# Allegro board LAY-29615_B4.brd (continued)
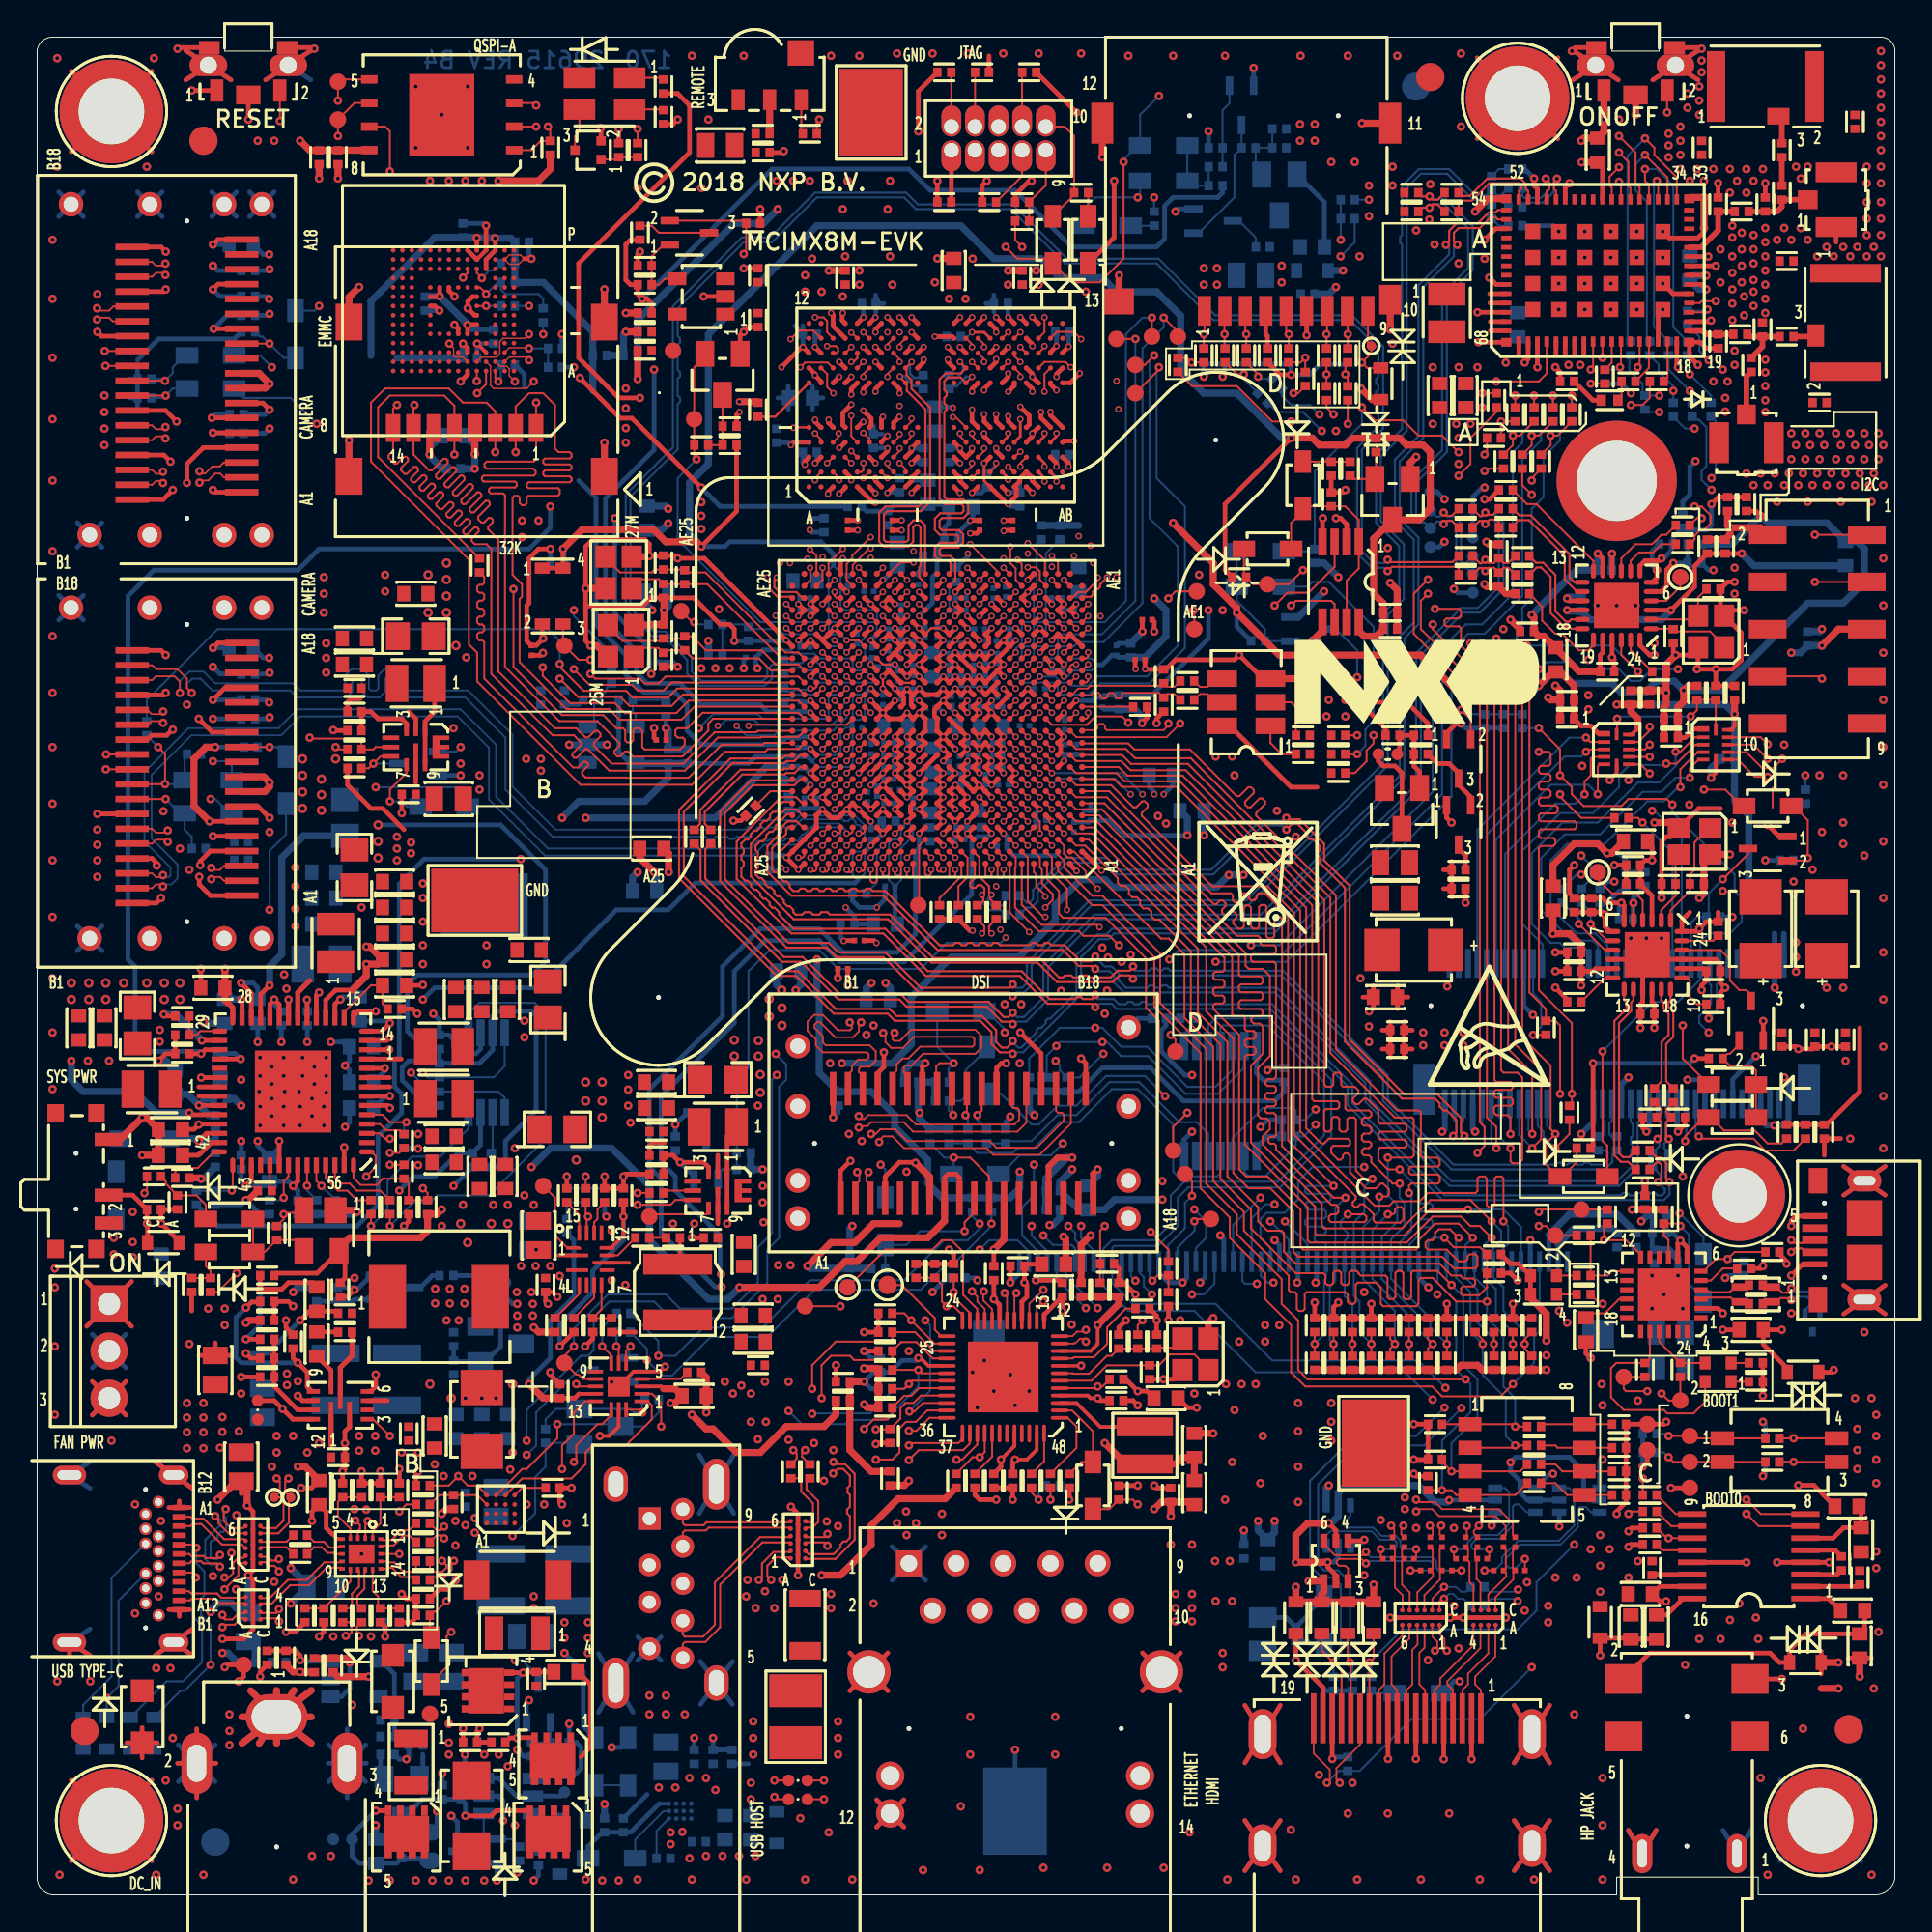
[diagram p0: board, top side]
## Routing (per net, layer and track width the routed paths; a pad name or vN(x,y) marks a point on that pad's centre or on a via; arc(x,y) is an arc through that point) (continued)
  L8_INT_3 w0.076: v2(53.32,63.63) 53.33,63.63 53.68,63.29 56,63.29 56.48,62.8 58.36,62.8 59.09,62.06 65.95,62.06 70.8,57.21 70.8,38.92 71.79,37.93 71.79,32.8 v1(71.44,32.45)
PMIC_ON: length 50
  TOP w0.107: R714.1 v1(32.32,37.78) ; v1(20.76,38.04) 21.02,37.78 R723.2 C777.1 20,38.3 R718.1 18.61,38.55 18.27,38.21 17.41,38.21 17.03,38.6 U702.56
  L6_INT_2 w0.076: v1(20.76,38.04) 20,38.8 18.73,38.8 17.72,39.81 17.72,48.32 18.99,49.59 18.99,54.42 17.84,55.56 17.84,59.24 v1(18.22,59.63)
  L8_INT_3 w0.076: v1(32.32,37.78) 31.94,38.16 23.3,38.16 22.8,37.65 21.14,37.65 v1(20.76,38.04)
  BOTTOM w0.107: D703.A 23.18,59.37 22.92,59.63 v1(18.22,59.63)
PMIC_ON_REQ: length 62
  TOP w0.107: R718.2 v1(18.99,39.3) ; R754.1 16.19,61.66 v1(16.06,61.78) ; U101.V20 v2(44.22,66.88)
  L6_INT_2 w0.076: v1(36.7,69.21) 35.11,70.8 29.27,70.8 28.89,70.42 27.88,70.42 20.89,63.44 17.33,63.44 16.06,62.17 v1(16.06,61.78) 16.45,61.4 18.22,61.4 18.73,60.9 18.73,59.37 18.48,59.12 18.48,58.61 18.86,58.23 18.86,55.43 19.49,54.8 19.49,49.59 18.86,48.96 18.86,47.43 18.1,46.67 18.1,40.19 v1(18.99,39.3)
  L8_INT_3 w0.076: v1(36.7,69.21) 38.71,67.21 41.78,67.21 42.02,67.45 42.53,67.45 42.77,67.21 43.9,67.21 v2(44.22,66.88)
PMIC_STBY_REQ: length 53
  TOP w0.107: v1(18.99,39.94) 19.49,39.94 R724.2 ; U101.V21 v2(42.93,66.88)
  L6_INT_2 w0.076: v1(18.99,39.94) 18.48,40.45 18.48,43.24 19.39,44.16 19.39,48.86 19.87,49.34 19.87,55.18 20.64,55.94 20.64,59.63 v1(22.8,61.78) 23.05,62.04 23.05,64.83 28.23,70.01 29.17,70.01 29.4,69.79 34.99,69.79 36.26,68.52 37.91,68.52 39.22,67.21 42.42,67.21 42.74,66.88 v2(42.93,66.88)
  BOTTOM w0.107: v1(22.8,61.78) 22.56,61.55 Q703.2
PMIC_VCORE: length 2.7
  TOP w0.107: U702.49 13.53,38.68 13.27,38.42 v1(13.27,37.53)
  BOTTOM w0.107: v1(13.27,37.53) 13.14,37.39 C735.1
PMIC_VCOREDIG: length 2.1
  TOP w0.107: U702.51 v1(14.53,38.17)
  BOTTOM w0.107: v1(14.53,38.17) 14.53,37.91 C728.1
PMIC_VCOREREF: length 2.3
  TOP w0.107: U702.52 15.03,38.44 v1(15.3,38.16)
  BOTTOM w0.107: C730.1 16.06,37.4 v1(15.3,38.16)
PMIC_VDDOTP: length 1.4
  TOP w0.107: U702.47 12.53,38.01 R720.2
POR_B: length 172.1
  TOP w0.107: v1(58.48,93.28) 58.48,88.07 57.21,86.8 55.69,86.8 D401.A 54.42,88.07 52.77,88.07 v1(52.13,88.71) ; U702.3 18.44,40.99 18.73,40.7 v1(18.99,40.7) ; v1(35.37,68.52) 35.26,68.52 TP407.1
  L6_INT_2 w0.076: v1(35.37,68.52) 30.16,68.52 29.04,69.63 28.49,69.63 23.68,64.83 23.68,61.91 23.3,61.53 23.3,60.01 21.02,57.72 21.02,55.82 20.26,55.05 20.26,49.21 19.75,48.7 19.75,42.23 18.99,41.46 v1(18.99,40.7)
  L8_INT_3 w0.076: v1(52.13,88.71) 50.99,87.57 49.85,87.57 48.07,85.79 44.64,85.79 43.24,84.39 43.24,83.37 42.53,82.66 42.15,82.66 39.37,79.88 38.99,79.88 34.99,75.88 34.99,71.82 34.73,71.56 34.73,69.15 v1(35.37,68.52) ; v1(60.39,96.84) 62.8,96.84 63.82,95.82 63.82,93.79 68.64,88.96 68.64,86.55 74.28,80.91 74.28,77.99 74.74,77.53 74.74,76.26 74.99,76.01 74.99,71.82 75.63,71.18 75.63,70.04 76.39,69.28 79.31,69.28 80.71,67.88 80.71,66.61 80.33,66.23 80.33,63.94 81.85,62.42 81.85,60.9 81.47,60.51 81.47,59.12 84.01,56.58 84.01,55.43 84.47,54.98 85.36,54.98 86.42,53.91 86.42,52.77 85.28,51.62 85.28,46.8 86.8,45.27 86.8,43.12 86.12,42.43 86.12,38.21 87.65,36.68 v1(88.41,36.68)
  BOTTOM w0.107: v1(60.39,96.84) 59.37,95.82 D1609.C 59.24,94.17 58.48,93.41 v1(58.48,93.28) ; R401.1 35.5,68.39 v1(35.37,68.52) ; D1704.C 89.7,35.39 v1(88.41,36.68)
PPS/GPIO: length 11.5
  TOP w0.107: TP1201.1 45.66,34.73 48.2,34.73 48.7,35.24 49.21,35.24 49.85,34.61 49.85,32.3 50.61,31.54 U1201.22
PWM_LED: length 133.7
  TOP w0.107: U101.K6 v2(53.32,61.03) ; R1614.1 v1(32.32,95.06)
  L6_INT_2 w0.076: v1(71.69,90.36) 74.99,87.06 74.99,82.74 74.48,82.23 74.48,78.29 73.72,77.53 73.72,69.53 64.96,60.77 63.18,60.77 62.17,61.78 55.91,61.78 55.48,61.36 53.65,61.36 v2(53.32,61.03)
  L8_INT_3 w0.076: v1(32.32,95.06) 33.46,96.2 37.02,96.2 37.53,96.71 44.51,96.71 46.29,98.49 58.61,98.49 59.37,97.73 62.42,97.73 69.79,90.36 v1(71.69,90.36) ; v2(53.32,61.03) 53.66,60.7 53.66,60.26 53.44,60.04 53.2,60.04 53.02,59.86 53.02,59.62 52.81,59.41 52.51,59.41 52.35,59.24 52.35,58.27 52.18,58.1 51.19,58.1 51.06,57.97 51.06,56.27 50.51,55.71 50.51,53.25 50.99,52.77 51.75,52.77 52.26,52.26 52.26,51.65 v2(52.13,51.52)
  BOTTOM w0.107: v2(52.13,51.52) 51.85,51.24 48.96,51.24 47.56,49.85 43.12,49.85 42.1,50.86 39.43,50.86 38.29,49.72 38.29,44.51 37.66,43.88 C780.1 R763.1 36.89,39.05 36.65,38.81 Q704.2
PWR_MODE: length 46
  TOP w0.107: U707.6 34.36,37.41 34.1,37.15 v1(32.32,37.15) ; U705.6 18.49,61.28 v1(18.1,60.9) 17.84,60.64 R701.2
  L6_INT_2 w0.076: v1(21.78,36) 20.64,36 18.56,38.08 18.56,38.46 17.33,39.69 17.33,48.48 18.6,49.75 18.6,54.26 17.46,55.4 17.46,60.26 v1(18.1,60.9)
  L8_INT_3 w0.076: v1(32.32,37.15) 27.62,37.15 27.11,36.64 22.41,36.64 v1(21.78,36)
  BOTTOM w0.107: Q703.3 v1(18.1,60.9)
PWR_PATH_EN: length 6
  TOP w0.254: v1(22.93,8.95) R943.1
  L6_INT_2 w0.254: v1(19.87,7.3) 21.27,8.7 22.68,8.7 v1(22.93,8.95)
  BOTTOM w0.254: R913.2 20.01,7.44 v1(19.87,7.3) 19.49,7.3 R942.2
QSPIA_NSS0: length 66
  TOP w0.107: U101.H19 v2(44.23,59.73) ; U603.1 26.61,93.92 27.11,94.42 R620.2 27.62,95.06 v1(27.49,95.19)
  L8_INT_3 w0.076: v1(27.49,95.19) 25.46,93.15 22.41,93.15 21.65,92.39 21.65,91.5 18.35,88.2 18.35,82.23 17.72,81.6 17.72,79.95 18.67,78.99 18.67,77.19 19.86,76 19.86,72.31 20.21,71.97 20.21,67.68 25.84,62.04 27.37,62.04 28,61.4 31.25,61.4 31.89,60.77 39.43,60.77 39.81,61.15 41.92,61.15 42.13,61.36 43.09,61.36 43.25,61.19 43.25,60.89 43.43,60.71 43.7,60.71 43.9,60.52 43.9,60.06 v2(44.23,59.73)
QSPIA_SCLK: length 65.8
  TOP w0.107: U101.G19 v2(44.23,59.08) ; U603.6 17.08,96.46 TP603.1 v1(16.19,94.68)
  L8_INT_3 w0.076: v2(44.23,59.08) 43.9,59.41 40.23,59.41 40.09,59.27 26.58,59.27 18.54,67.31 18.54,69.34 18.22,69.66 18.22,75.5 16.06,77.66 16.06,88.21 16.19,88.34 16.45,88.34 16.57,88.47 16.57,88.72 16.45,88.85 16.19,88.85 16.06,88.98 16.06,89.23 16.19,89.36 16.45,89.36 16.57,89.48 16.57,89.74 16.45,89.87 16.19,89.87 16.06,89.99 16.06,90.25 16.19,90.37 16.45,90.37 16.57,90.5 16.57,90.75 16.45,90.88 16.19,90.88 16.06,91.01 16.06,91.38 16.7,92.01 16.7,92.84 16.57,92.96 16.19,92.96 16.06,93.09 16.06,93.34 16.19,93.47 17.08,93.47 17.21,93.6 17.21,93.92 17.08,94.04 16.32,94.04 16.19,94.17 v1(16.19,94.68)
REF_CLK_32K: length 82.8
  TOP w0.107: R1305.1 86.81,80.59 86.42,80.2 v1(85.79,80.2) ; R1438.2 83.12,57.97 81.98,59.12 v1(81.98,59.24) ; U101.T6 v2(53.32,65.58)
  L6_INT_2 w0.076: v2(53.32,65.58) 53.53,65.58 53.86,65.25 64.62,65.25 68.64,69.28 68.64,75.88 72.33,79.56 72.33,82.87 v1(72.96,83.5) ; v1(85.79,80.2) 83.76,80.2 80.96,77.41 80.96,72.71 83.5,70.17 83.5,67.88 84.33,67.06 84.33,65.66 85.53,64.45 85.53,61.53 83.76,59.75 83.12,59.75 82.61,59.24 v1(81.98,59.24)
  L8_INT_3 w0.076: v1(85.79,80.2) 84.26,80.2 83.88,79.82 79.69,79.82 79.06,80.45 79.06,81.85 78.04,82.87 73.6,82.87 v1(72.96,83.5)
RTC_CLK_32K768: length 17.1
  TOP w0.107: U101.V22 v2(42.28,66.88) ; Y403.3 28.31,67.32 TP408.1 29.15,66.48 v1(29.78,66.48)
  L6_INT_2 w0.076: v1(29.78,66.48) 31.36,68.06 37.6,68.06 38.92,66.74 40.7,66.74 40.85,66.88 v2(42.28,66.88)
SAI1_MCLK: length 52.8
  TOP w0.107: v1(79.44,27.49) 78.78,26.83 75.63,26.83 75.09,27.37 68.26,27.37 67.5,28.13 67.5,30.67 66.1,32.07 66.1,33.46 64.2,35.37 64.2,36.46 62.62,38.04 62.62,45.33 60.13,47.81 60.13,50.48 57.34,53.28 56.8,53.28 54.95,55.12 U101.A3
  BOTTOM w0.107: v1(79.44,27.49) 80.58,28.64 80.58,30.03 80.88,30.33 J1801.4
SAI1_RXC: length 49.7
  TOP w0.107: U101.K1 58.4,61.36 58.88,60.88 61.95,60.88 69.29,53.54 69.29,43.62 69.4,43.5 69.66,43.5 69.77,43.6 69.77,44.15 69.88,44.26 70.09,44.26 70.2,44.15 70.2,43.6 70.3,43.5 70.94,43.5 71.12,43.31 71.12,43.16 70.82,42.86 70.82,42.71 70.97,42.56 71.12,42.56 71.42,42.86 71.57,42.86 72.2,42.24 72.2,41.61 72.31,41.51 73.62,41.51 73.72,41.4 73.72,41.19 73.62,41.08 72.31,41.08 72.2,40.97 72.2,40.76 72.31,40.65 73.62,40.65 73.72,40.55 73.72,40.33 73.62,40.23 72.31,40.23 72.2,40.12 72.2,39.56 72.71,39.05 v1(73.34,39.05)
  BOTTOM w0.107: J1801.18 73.88,35.02 74.38,35.52 74.38,35.83 74.48,35.94 75.01,35.94 75.12,36.04 75.12,36.26 75.01,36.36 74.48,36.36 74.38,36.47 74.38,36.68 74.48,36.79 75.01,36.79 75.12,36.9 75.12,37.11 75.01,37.22 74.48,37.22 74.38,37.32 74.38,38.02 v1(73.34,39.05)
SAI1_RXD0: length 49.1
  TOP w0.107: U101.K2 55.92,61.03 58.36,61.03 58.85,60.54 61.83,60.54 68.96,53.41 68.96,43.18 69.02,43.12 70.31,43.12 70.42,43.01 70.42,42.33 70.53,42.23 71.69,42.23 71.82,42.1 71.82,41.94 71.71,41.83 71.42,41.83 71.31,41.72 71.31,41.51 71.42,41.4 71.71,41.4 71.82,41.3 71.82,41.08 71.71,40.98 71.42,40.98 71.31,40.87 71.31,40.66 71.42,40.55 71.71,40.55 71.82,40.44 71.82,40.32 71.69,40.2 71.44,40.19 71.31,40.07 71.31,39.92 71.42,39.81 71.69,39.81 71.82,39.69 71.82,39.43 72.96,38.29 v1(73.34,38.29) ; R825.2 v1(75.88,29.65) R816.1
  BOTTOM w0.107: v1(75.88,29.65) 74.99,30.54 74.99,31.05 72.88,33.17 J1801.20 72.88,35.28 73.6,36 73.6,37.27 73.34,37.53 v1(73.34,38.29)
SAI1_RXD1: length 48.4
  TOP w0.107: R826.2 74.87,29.91 v1(75.12,29.65) 74.87,29.4 R815.1 ; v1(72.71,39.69) 74,39.69 74.1,39.79 74.1,41.74 74,41.85 73.09,41.85 69.61,45.32 69.61,53.68 62.1,61.19 59.11,61.19 58.61,61.68 55.92,61.68 U101.L2
  BOTTOM w0.107: v1(72.71,39.69) 72.71,37.65 73.21,37.15 73.21,36.22 72.38,35.38 J1801.21 72.38,33.16 74.36,31.18 74.36,30.42 v1(75.12,29.65)
SAI1_RXD2: length 47.9
  TOP w0.107: R827.2 v1(73.85,29.65) R814.1 ; U101.H2 55.92,59.73 57.82,59.73 59.01,58.54 59.16,58.54 59.48,58.86 59.63,58.86 59.78,58.71 59.78,58.56 59.46,58.24 59.46,58.09 63.26,54.29 66.23,54.29 67.66,52.86 67.66,40.92 70.98,37.6 70.98,37.45 70.81,37.29 70.81,37.14 70.92,37.03 71.07,37.03 71.22,37.18 71.41,37.18 71.94,36.64 71.94,36.29 72.05,36.19 73.38,36.19 73.54,36.35 73.54,36.91 73.44,37.02 73.19,37.02 73.09,36.91 73.09,36.73 73,36.64 v1(72.71,36.64)
  BOTTOM w0.107: v1(73.85,29.65) 73.85,31.18 71.88,33.15 J1801.22 71.88,35.81 v1(72.71,36.64)
SAI1_RXD3: length 48.4
  TOP w0.107: R828.2 72.83,29.91 v1(73.09,29.65) 72.83,29.4 R813.1 ; v1(72.25,37.58) 72.27,37.6 72.66,37.6 72.76,37.7 72.76,37.98 72.45,38.29 72.33,38.29 72.07,38.04 71.54,38.04 70.67,38.9 70.67,39.79 70.54,39.92 70.39,39.92 70.28,39.81 70.28,39.68 70.18,39.57 70.03,39.57 69.66,39.94 69.66,40.21 69.77,40.32 70.57,40.32 70.67,40.43 70.67,40.58 70.55,40.7 69.53,40.7 69.28,40.45 69.13,40.45 68.31,41.26 68.31,53.14 61.51,59.94 58.55,59.94 58.1,60.38 55.92,60.38 U101.J2
  BOTTOM w0.107: v1(73.09,29.65) 73.09,31.43 71.38,33.14 J1801.23 71.38,35.94 72.25,36.82 v1(72.25,37.58)
SAI1_RXD4: length 48.1
  TOP w0.107: R812.1 v1(71.82,29.65) R829.2 ; U101.J1 58.23,60.71 58.69,60.25 61.66,60.25 68.64,53.27 68.64,42.83 68.74,42.72 69.99,42.72 70.09,42.62 70.09,42.41 69.99,42.3 69.38,42.3 69.28,42.19 69.28,41.19 69.38,41.08 69.55,41.08 69.68,41.22 69.68,41.77 69.79,41.87 69.99,41.87 70.09,41.77 70.09,41.19 70.2,41.08 70.41,41.08 70.52,41.19 70.52,41.74 70.63,41.85 70.89,41.85 70.99,41.74 70.99,38.99 71.44,38.54 v1(71.88,38.54)
  BOTTOM w0.107: v1(71.88,38.54) 71.44,38.1 71.44,36.77 70.88,36.21 J1801.24 70.88,32.25 71.18,31.94 71.18,30.29 v1(71.82,29.65)
SAI1_RXD5: length 48.3
  TOP w0.107: R811.1 v1(70.8,29.65) R830.2 ; U101.F1 57.45,58.76 64.58,51.62 65.72,51.62 65.85,51.5 65.85,51.22 65.96,51.12 66.58,51.12 66.69,51.01 66.69,50.75 66.58,50.64 65.45,50.64 65.34,50.54 65.34,50.32 65.45,50.22 66.58,50.22 66.69,50.11 66.69,44.03 66.56,43.9 66.23,43.9 66.12,43.8 66.12,43.65 66.23,43.54 66.59,43.54 66.69,43.45 66.69,43.28 66.58,43.17 66.21,43.17 66.1,43.07 66.1,42.91 66.21,42.81 66.58,42.81 66.69,42.7 66.69,42.55 66.58,42.44 66.21,42.44 66.1,42.34 66.1,42.19 66.21,42.08 66.58,42.08 66.69,41.97 66.69,40.9 66.59,40.8 66.37,40.8 66.28,40.71 66.28,40.53 66.37,40.43 66.59,40.43 66.69,40.34 66.69,40.13 69.67,37.15 69.91,37.15 70.04,37.02 70.04,36.75 69.93,36.64 69.66,36.64 69.53,36.51 69.53,36.32 69.64,36.22 71.45,36.22 71.55,36.32 71.55,36.52 71.44,36.64 v1(70.55,36.64)
  BOTTOM w0.107: v1(70.55,36.64) 70.17,36.26 70.17,36 70.55,35.62 70.55,35.37 70.38,35.2 J1801.25 70.38,32.24 70.8,31.81 v1(70.8,29.65)
SAI1_RXD6: length 48.4
  TOP w0.107: v1(70.42,37.53) 69.79,37.53 67.01,40.3 67.01,52.53 66.9,52.64 66.7,52.64 66.6,52.53 66.6,51.6 66.49,51.5 66.28,51.5 66.17,51.6 66.17,53.21 66.09,53.29 65.88,53.29 65.77,53.18 65.77,52.11 65.67,52.01 65.47,52.01 65.34,52.13 65.34,53.15 65.23,53.26 65.08,53.26 64.96,53.15 64.96,52.13 64.83,52.01 64.66,52.01 64.38,52.28 64.38,52.43 64.57,52.62 64.57,52.77 64.42,52.92 64.27,52.92 64.08,52.73 63.93,52.73 63.78,52.88 63.78,53.04 63.97,53.23 63.97,53.38 63.82,53.53 63.67,53.53 63.48,53.34 63.33,53.34 57.58,59.08 55.92,59.08 U101.G2 ; R831.2 v1(69.79,29.65) R810.1
  BOTTOM w0.107: v1(70.42,37.53) 69.88,36.98 J1801.26 69.88,33.05 69.58,32.75 69.58,29.86 v1(69.79,29.65)
SAI1_RXD7: length 48.5
  TOP w0.107: U101.G1 57.71,59.41 63.21,53.91 64.26,53.91 64.36,53.8 64.36,53.53 64.47,53.42 64.68,53.42 64.79,53.53 64.79,53.8 64.9,53.91 65.11,53.91 65.22,53.8 65.22,53.66 65.32,53.55 65.54,53.55 65.64,53.66 65.64,53.8 65.75,53.91 66.1,53.91 67.34,52.68 67.34,40.61 v1(69.79,38.16) ; R809.1 v1(68.77,29.65) R832.2
  BOTTOM w0.107: v1(69.79,38.16) 68.37,38.16 68.26,38.06 68.26,37.84 68.37,37.74 69.52,37.74 69.63,37.63 69.63,37.42 69.52,37.31 68.39,37.31 68.28,37.2 68.28,36.99 68.39,36.88 69.27,36.88 69.38,36.78 69.38,36.51 69.27,36.41 68.37,36.41 68.26,36.3 68.26,36.09 68.37,35.98 69.27,35.98 69.38,35.87 69.38,35.66 69.27,35.55 68.88,35.55 68.77,35.45 68.77,35.23 68.88,35.13 69.27,35.13 69.38,35.02 J1801.27 69.38,33.18 69.28,33.08 69.28,30.16 v1(68.77,29.65)
SAI1_RXFS: length 48.1
  TOP w0.107: U101.L1 56.28,61.98 58.74,61.98 59.06,61.66 62.05,61.66 64.57,59.15 64.72,59.15 65.19,59.62 65.35,59.62 65.5,59.47 65.5,59.32 65.02,58.84 65.02,58.69 65.17,58.54 65.32,58.54 65.8,59.02 65.95,59.02 66.1,58.87 66.1,58.72 65.62,58.24 65.62,58.09 69.91,53.8 69.91,45.53 73.21,42.23 74.38,42.23 74.48,42.12 74.48,39.81 74.61,39.69 75.37,39.69 75.5,39.56 75.5,39.31 75.4,39.2 73.96,39.2 73.85,39.1 73.85,38.88 73.96,38.78 75.39,38.78 75.5,38.67 75.5,38.4 75.39,38.29 73.96,38.29 73.85,38.18 v1(73.85,37.78)
  BOTTOM w0.107: J1801.19 73.38,35.15 73.98,35.75 73.98,37.65 v1(73.85,37.78)
SAI1_TXC: length 48.9
  TOP w0.107: v1(77.02,36.89) 74.99,36.89 73.6,35.5 68.9,35.5 68.8,35.6 68.8,37.05 65.34,40.5 65.34,44.64 65.98,45.27 65.98,46.75 65.82,46.9 65.49,46.9 65.35,47.04 65.35,47.19 65.46,47.3 65.87,47.3 65.98,47.41 65.98,47.56 65.85,47.69 64.8,47.69 64.69,47.79 64.69,48.05 64.8,48.16 65.87,48.16 65.98,48.27 65.98,48.48 65.87,48.59 64.8,48.59 64.69,48.69 64.69,48.91 64.8,49.01 65.87,49.01 65.98,49.12 65.98,49.33 65.87,49.44 64.8,49.44 64.69,49.55 64.69,50.6 57.18,58.11 U101.E1
  BOTTOM w0.107: v1(77.02,36.89) 78.93,36.89 79.88,35.95 J1801.6
SAI1_TXD0: length 50.2
  TOP w0.107: R833.2 80.07,29.91 v1(80.07,29.65) 80.07,29.39 R808.1 ; v1(78.29,36.26) 77.15,37.4 74.99,37.4 73.47,35.88 69.28,35.88 69.15,36 69.15,37.21 65.98,40.38 65.98,40.83 66.36,41.21 66.36,41.61 66.17,41.8 65.88,41.8 65.72,41.95 65.72,44.51 66.36,45.15 66.36,49.46 65.98,49.85 65.21,49.85 65.05,50.01 65.05,50.7 57.31,58.43 55.92,58.43 U101.F2
  BOTTOM w0.107: v1(80.07,29.65) 80.07,30.29 78.93,31.43 78.93,32.7 78.38,33.25 J1801.9 78.38,34.82 78.8,35.24 78.8,35.75 v1(78.29,36.26)
SAI1_TXD1: length 49.8
  TOP w0.107: v1(78.29,35.37) 77.66,36 77.15,36 76.64,36.51 75.12,36.51 73.72,35.11 68.52,35.11 68.39,35.24 68.39,37.02 65.01,40.4 65.01,45.11 65.12,45.22 65.49,45.22 65.59,45.33 65.59,45.54 65.49,45.65 65.12,45.65 65.01,45.75 65.01,45.97 65.12,46.07 65.49,46.07 65.59,46.18 65.59,46.39 65.49,46.5 65.12,46.5 65.01,46.61 65.01,47.21 64.9,47.32 64.43,47.32 64.32,47.42 64.32,50.5 57.04,57.78 55.92,57.78 U101.E2 ; R834.2 v1(79.44,29.65) R807.1
  BOTTOM w0.107: v1(79.44,29.65) 79.44,30.29 78.52,31.2 78.52,32.6 77.88,33.25 J1801.10 77.88,34.95 v1(78.29,35.37)
SAI1_TXD2: length 60.2
  TOP w0.107: R822.1 v1(79.56,25.21) 79.44,25.34 SW801.1 R835.2 ; U101.B2 55.81,56.16 60.49,51.48 60.92,51.48 61.76,50.63 61.76,47.21 63.31,45.66 63.31,38.42 64.96,36.77 64.96,35.75 67.37,33.34 67.37,32.55 67.48,32.45 67.7,32.45 67.81,32.34 67.81,31.54 67.91,31.43 68.13,31.43 68.23,31.54 68.23,32.34 68.34,32.45 70.42,32.45 70.55,32.32 70.55,31.92 70.65,31.81 70.87,31.81 70.98,31.92 70.98,32.85 71.09,32.96 72.07,32.96 72.33,32.7 72.33,31.81 72.45,31.69 74.23,31.69 74.36,31.81 74.36,33.08 74.48,33.21 75.12,33.21 76.39,31.94 v1(78.04,31.94)
  BOTTOM w0.107: J1801.11 77.38,33.24 78.04,32.57 v1(78.04,31.94) 78.04,31.05 78.93,30.16 78.93,27.37 79.56,26.73 v1(79.56,25.21)
SAI1_TXD3: length 49.4
  TOP w0.107: R805.1 v1(78.42,29.65) R836.2 ; v1(77.28,35.37) 76.52,36.13 75.25,36.13 74.36,35.24 74.36,34.86 74.23,34.73 68.13,34.73 68.01,34.86 68.01,36.89 66.23,38.67 65.09,38.67 64.71,39.05 64.71,46.29 63.31,47.69 63.31,47.87 63.42,47.98 63.81,47.98 63.91,48.09 63.91,48.3 63.81,48.41 63.42,48.41 63.31,48.51 63.31,48.73 63.42,48.83 63.81,48.83 63.91,48.94 63.91,49.15 63.81,49.26 63.42,49.26 63.31,49.37 63.31,49.58 63.42,49.69 63.81,49.69 63.91,49.79 63.91,50.45 56.91,57.46 U101.D1
  BOTTOM w0.107: v1(77.28,35.37) 76.88,34.97 J1801.12 76.88,33.23 77.53,32.57 77.53,30.8 78.42,29.91 v1(78.42,29.65)
SAI1_TXD4: length 62.4
  TOP w0.107: R819.1 v1(79.56,24.19) 79.44,24.07 SW801.2 ; U101.D2 55.92,57.13 56.8,57.13 62.93,51 62.93,47.55 64.39,46.1 64.39,38.86 65.21,38.04 66.38,38.04 67.63,36.79 67.63,34.61 67.88,34.35 75.63,34.35 76.25,33.73 77.42,33.73 77.53,33.84 77.53,34.37 77.42,34.48 77.11,34.48 77,34.37 77,34.23 76.88,34.1 76.52,34.1 75.88,34.73 74.87,34.73 74.74,34.86 74.74,35.11 74.87,35.24 75.12,35.24 75.25,35.37 75.25,35.62 75.45,35.83 76.06,35.83 v1(76.52,35.37) ; v1(77.81,29.65) 77.81,29.89 R837.2
  BOTTOM w0.107: v1(76.52,35.37) 76.38,35.23 J1801.13 76.38,33.22 77.15,32.45 77.15,30.31 v1(77.81,29.65) 77.81,27.98 79.06,26.73 79.06,24.7 v1(79.56,24.19)
SAI1_TXD5: length 63.5
  TOP w0.107: U101.C2 55.92,56.48 56.42,56.48 58.17,54.73 58.17,54.48 58.34,54.3 58.6,54.3 58.77,54.13 58.77,53.88 58.95,53.7 59.2,53.7 59.38,53.53 59.38,53.27 59.55,53.1 59.8,53.1 59.98,52.92 59.98,52.67 60.15,52.49 60.41,52.49 62.1,50.8 62.1,47.37 63.69,45.78 63.69,38.54 65.34,36.89 65.34,35.88 67.75,33.46 69.24,33.46 69.35,33.36 69.35,32.94 69.45,32.83 69.67,32.83 69.77,32.94 69.77,33.48 69.88,33.59 70.09,33.59 70.2,33.48 70.2,32.94 70.31,32.83 70.52,32.83 70.63,32.94 70.63,33.48 70.73,33.59 71.03,33.59 71.13,33.48 71.13,33.44 71.24,33.34 72.58,33.34 72.69,33.23 72.69,32.17 72.79,32.07 73.01,32.07 73.11,32.17 73.11,33.48 73.22,33.59 73.43,33.59 73.54,33.48 73.54,32.17 73.65,32.07 73.86,32.07 73.97,32.17 73.97,33.48 74.07,33.59 75.37,33.59 v1(76.14,32.83) ; R838.2 75.62,23.31 v1(76.14,22.8) SW801.3 79.83,22.8 R821.1
  BOTTOM w0.107: v1(76.14,22.8) 76.14,24.32 77.53,25.72 77.53,27.75 76.77,28.51 76.77,32.19 v1(76.14,32.83) 75.88,33.09 J1801.14
SAI1_TXD6: length 62.2
  TOP w0.107: v1(76.9,27.75) 68.39,27.75 67.88,28.26 67.88,30.92 66.99,31.81 66.99,33.15 64.58,35.56 64.58,36.64 62.93,38.29 62.93,45.53 60.45,48.01 60.45,50.67 57.34,53.78 56.8,53.78 55.28,55.31 55.28,55.67 54.95,56 U101.B3 ; R839.2 75.62,21.79 v1(75.63,21.78) 76.14,21.78 76.39,21.53 SW801.4 79.57,21.53 R820.1
  BOTTOM w0.107: v1(75.63,21.78) 75.63,24.45 77.15,25.97 77.15,27.49 v1(76.9,27.75) 76.39,28.26 76.39,31.94 75.38,32.95 J1801.15
SAI1_TXD7: length 47.7
  TOP w0.107: v1(75.75,35.37) 76.26,34.86 77.67,34.86 R801.1 R840.2 78.05,32.71 77.62,32.28 76.75,32.28 76.64,32.39 76.64,32.65 76.75,32.75 77.3,32.75 77.41,32.86 77.41,33.07 77.3,33.18 76.77,33.18 76.61,33.34 76.14,33.34 75.5,33.97 67.75,33.97 67.12,34.61 67.12,35.62 66.99,35.75 66.23,35.75 65.72,36.26 65.72,37.02 64.07,38.67 64.07,45.91 62.48,47.5 62.48,50.93 56.6,56.81 U101.C1
  BOTTOM w0.107: J1801.16 74.88,35.13 75.12,35.37 v1(75.75,35.37)
SAI1_TXFS: length 48
  TOP w0.107: U101.H1 57.97,60.06 58.39,59.64 61.35,59.64 67.99,53 67.99,41.11 72,37.1 72.78,37.1 73.02,37.34 74.42,37.34 74.87,37.78 77.43,37.78 77.53,37.89 77.53,38.56 77.64,38.67 77.91,38.67 78.03,38.55 78.03,37.13 78.14,37.02 78.35,37.02 78.46,37.13 78.46,38.56 78.56,38.67 78.82,38.67 78.93,38.56 v1(78.93,36.26)
  BOTTOM w0.107: v1(78.93,36.26) 79.18,36 79.18,35.05 78.88,34.74 J1801.8
SAI2_MCLK: length 61.9
  TOP w0.107: v1(85.66,20.51) 85.79,20.64 R1103.1 ; U101.H5 v2(53.97,59.73)
  L6_INT_2 w0.076: v1(85.66,20.51) 80.33,25.84 78.04,25.84 76.14,27.75 68.13,27.75 v1(66.1,29.78)
  L8_INT_3 w0.076: v2(53.97,59.73) 54.3,60.06 56.78,60.06 64.12,52.72 64.12,34.66 63.94,34.48 63.94,32.45 65.21,31.18 65.21,30.67 v1(66.1,29.78)
SAI2_RXC: length 53.8
  TOP w0.107: U101.H3 v2(55.27,59.73)
  L8_INT_3 w0.076: v1(63.44,50.23) 63.44,52.89 56.6,59.73 v2(55.27,59.73)
  BOTTOM w0.107: R1336.1 81.98,78.68 81.98,78.3 81.09,77.41 81.09,75.25 80.45,74.61 80.45,69.79 79.95,69.28 79.95,68.01 79.06,67.12 78.42,67.12 76.14,64.83 76.14,59.12 67.25,50.23 v1(63.44,50.23)
SAI2_RXD: length 55.4
  TOP w0.107: U101.H6 53.32,59.73 v2(53.33,59.73)
  L8_INT_3 w0.076: v1(60.95,50.35) 60.95,52.44 56.3,57.09 55.82,57.09 55.44,57.46 55.14,57.46 54.95,57.65 54.95,57.92 54.76,58.11 54.5,58.11 54.3,58.31 54.3,58.57 54.11,58.76 53.84,58.76 53.65,58.95 53.65,59.41 v2(53.33,59.73)
  BOTTOM w0.107: R1337.1 80.96,78.68 80.96,78.29 79.95,77.28 79.95,69.91 77.91,67.88 77.02,67.88 75.63,66.48 75.63,59.24 66.99,50.61 64.71,50.61 64.45,50.86 61.45,50.86 v1(60.95,50.35)
SAI2_RXFS: length 52.8
  TOP w0.107: U101.J4 v2(54.62,60.38)
  L8_INT_3 w0.076: v2(59.5,59.24) 59.91,58.84 60.79,58.84 62.37,57.26 62.37,55.99 65.34,53.02 v1(65.34,51.12)
  BOTTOM w0.107: R1335.1 79.95,78.68 79.95,78.17 79.44,77.66 79.44,70.04 77.79,68.39 76.9,68.39 75.12,66.61 75.12,59.37 66.87,51.12 v1(65.34,51.12) ; v2(59.5,59.24) 58.36,60.38 v2(54.62,60.38)
SAI2_TXC: length 61.9
  TOP w0.107: R1104.1 v1(86.43,22.41) ; U101.J5 v2(53.97,60.38)
  L6_INT_2 w0.076: v1(86.43,22.41) 84.4,24.45 83.12,24.45 79.31,28.26 68.52,28.26 v1(66.1,30.67)
  L8_INT_3 w0.076: v2(53.97,60.38) 54.3,60.71 54.81,60.71 55.13,60.39 56.96,60.39 64.5,52.84 64.5,36.97 64.78,36.69 64.78,32.24 66.1,30.92 v1(66.1,30.67)
SAI2_TXD: length 71.6
  TOP w0.107: v1(92.01,20.51) 92.67,19.85 U1101.7 ; U101.G5 v2(53.97,59.08)
  L6_INT_2 w0.076: v1(92.01,20.51) 91.5,20 84.9,20 81.17,23.74 77.23,23.74 73.85,27.11 67.37,27.11 v1(64.71,29.78)
  L8_INT_3 w0.076: v1(64.71,29.78) 64.71,31.05 63.37,32.38 63.37,34.45 63.18,34.64 63.18,36 63.74,36.56 63.74,49.29 62.96,50.07 62.96,52.84 56.4,59.41 54.3,59.41 v2(53.97,59.08)
SAI2_TXFS: length 70.2
  TOP w0.107: v1(92.01,21.27) 92.78,20.5 U1101.8 ; U101.H4 v2(54.62,59.73)
  L6_INT_2 w0.076: v1(66.86,30.67) 68.64,28.89 79.44,28.89 83.25,25.08 85.66,25.08 89.47,21.27 v1(92.01,21.27)
  L8_INT_3 w0.076: v2(58.86,59.24) 59.58,58.53 60.59,58.53 61.36,57.77 61.36,56.5 64.88,52.97 64.88,37.1 65.11,36.87 65.11,32.42 v1(66.86,30.67)
  BOTTOM w0.107: v2(54.62,59.73) 54.97,60.08 58.03,60.08 v2(58.86,59.24)
SAI3_MCLK: length 32.4
  TOP w0.107: v1(61.02,46.29) 61.28,46.04 TP1801.1 ; U101.D3 v2(55.27,57.13)
  L8_INT_3 w0.076: v2(55.27,57.13) 55.27,57.12 56.7,55.69 57.24,55.69 60.46,52.46 60.46,49.9 61.02,49.34 v1(61.02,46.29) 61.02,43.88 61.66,43.24 61.66,42.61 61.28,42.23 61.28,39.18 61.4,39.05 61.4,34.35 62.17,33.59 v1(62.17,32.32)
  BOTTOM w0.107: J1801.39 63.38,32.9 62.8,32.32 v1(62.17,32.32)
SAI3_RXC: length 31.7
  TOP w0.107: v1(61.91,42.1) 61.15,41.34 TP1802.1 ; U101.F4 v2(54.62,58.43)
  L8_INT_3 w0.076: v1(62.29,36.89) 61.66,37.53 61.66,41.85 v1(61.91,42.1) 62.17,42.35 62.17,43.37 61.53,44 61.53,49.34 61.4,49.47 61.4,52.41 55.71,58.11 55.09,58.11 54.77,58.43 v2(54.62,58.43)
  BOTTOM w0.107: J1801.41 62.38,34.82 62.93,35.37 62.93,36.26 v1(62.29,36.89)
SAI3_RXD: length 75.8
  TOP w0.107: TP804.1 62.17,38.42 v1(62.17,37.63) ; U101.F3 v2(55.27,58.43) ; R1445.2 80.45,78.03 v1(80.45,78.55) 80.83,78.55 R1318.1
  L6_INT_2 w0.076: v2(55.27,58.43) 56.91,58.43 57.09,58.61 61.15,58.61 61.53,58.23 65.34,58.23 67.88,60.77 71.82,60.77 73.6,62.55 76.77,62.55 81.09,66.86 81.09,69.02 78.93,71.18 78.93,77.02 v1(80.45,78.55)
  L8_INT_3 w0.076: v1(62.17,37.63) 62.63,38.1 62.63,48.74 61.78,49.59 61.78,52.51 55.86,58.43 v2(55.27,58.43)
  BOTTOM w0.107: v1(62.17,37.63) 61.78,37.25 61.78,35.88 60.88,34.97 J1801.44
SAI3_RXFS: length 31.2
  TOP w0.107: v1(62.29,36.26) 62.42,36.38 TP803.1 ; U101.G4 v2(54.62,59.08)
  L8_INT_3 w0.076: v2(54.62,59.08) 54.95,58.76 56.05,58.76 62.17,52.64 62.17,49.72 62.98,48.91 62.98,36.94 v1(62.29,36.26)
  BOTTOM w0.107: J1801.43 61.38,34.83 62.31,35.77 62.31,36.24 v1(62.29,36.26)
SAI3_TXC: length 54
  TOP w0.107: U101.C4 v2(54.62,56.48) ; R1442.2 81.47,78.03 v1(81.47,78.55) 81.84,78.55 R1319.1
  L6_INT_2 w0.076: v2(54.62,56.48) 54.71,56.4 55.64,56.4 55.82,56.58 57.97,56.58 58.74,55.82 65.59,55.82 66.23,55.18 69.4,55.18 74.48,60.26 78.04,60.26 79.95,62.17 82.49,62.17 84.14,63.82 84.14,64.58 82.99,65.72 82.99,69.79 79.95,72.83 79.95,76.9 81.47,78.42 v1(81.47,78.55)
